# Altium PCB 10515.0501_主板(8拼版)_V1.0-20200907.PcbDoc (part 5 of 6)
Units mm, origin at the board's own origin, x right, y up, seen from the top; angles counter-clockwise.
Board outline 229.4 x 126.82 mm, 2 copper layers (Top Layer, Bottom Layer); 560 components, 0 nets, 2350 pads, 1248 vias.
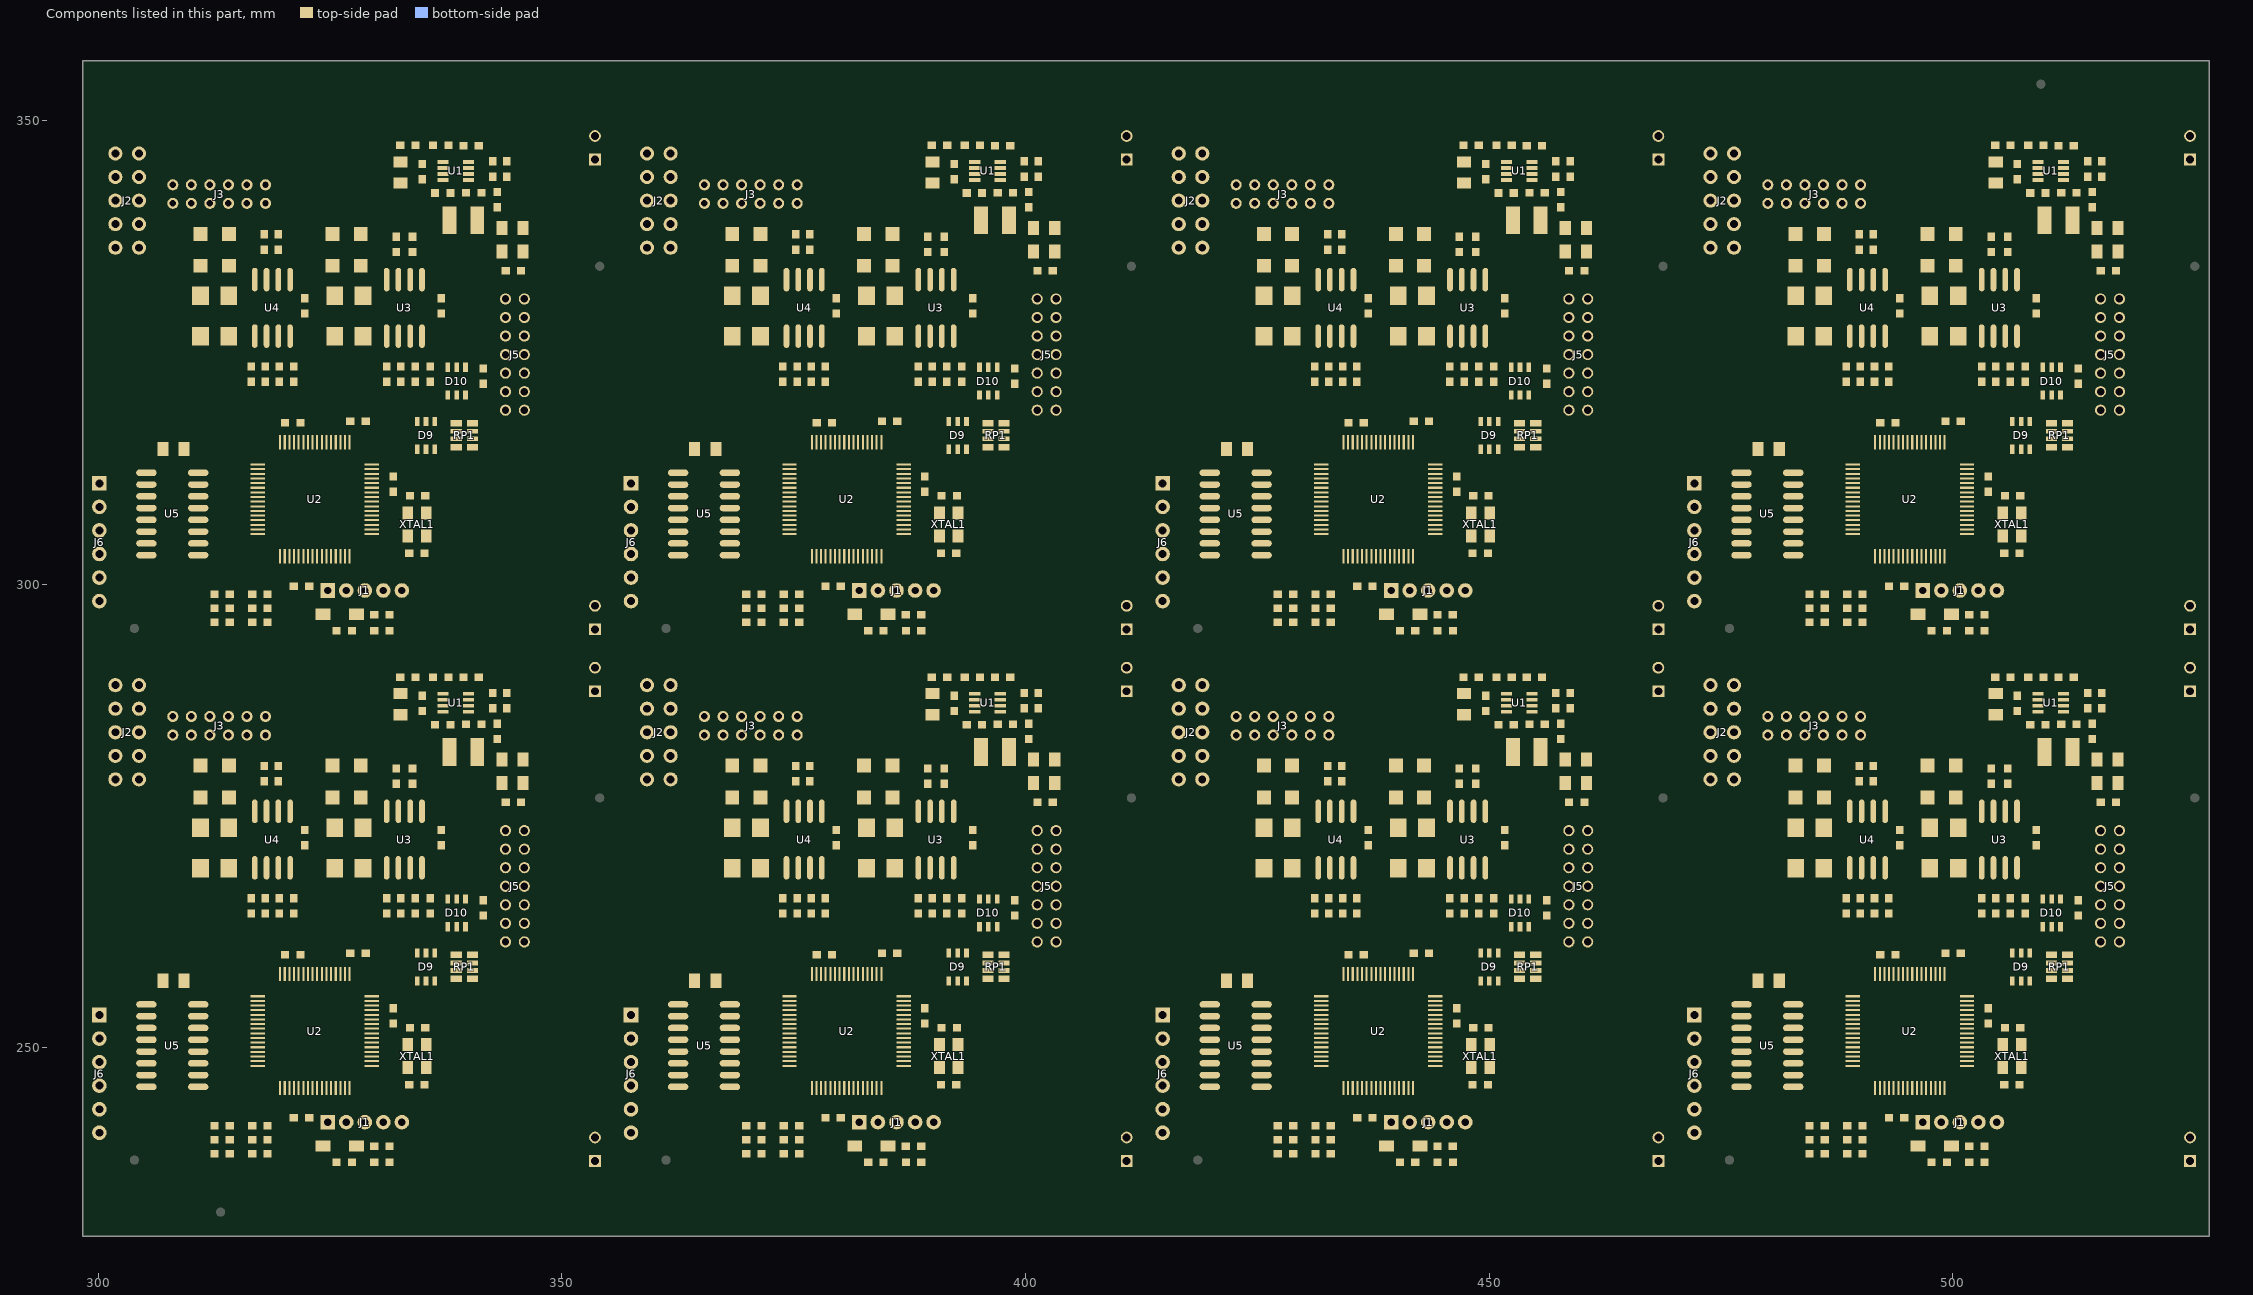
[diagram p5: the components of this part, seen from the top]

## Via types
v1: diameter 0.7, hole 0.4, Top Layer to Bottom Layer, tented both sides, 1248 vias

## Nets (pads, with @x,y where several pads share a name; then routed paths per layer and width w, separated by ;. In a path a pad name is that pad's centre, name@x,y a point inside that pad or via, vN(x,y) a via of type N, cw(c..) or ccw(c..) an arc to the next point about the centre after c; other vN are vias at no path point) (continued)
copper on no net: (continued)
  Top Layer w1: 301.833,284.039 304.373,284.039 304.668,283.744 306.705,283.744 ; 301.833,289.119 304.373,289.119 306.005,290.751 ; 301.833,341.389 304.373,341.389 304.668,341.094 306.705,341.094 ; 301.833,346.469 304.373,346.469 306.005,348.101 ; 302.387,289.119 304.019,290.751 305.035,290.751 ; 302.387,346.469 304.019,348.101 305.035,348.101 ; 303.403,289.119 305.035,290.751 ; 303.403,346.469 305.035,348.101 ; v1(306.705,259.001) 306.705,257.497 306.969,257.233 ; v1(306.705,316.351) 306.705,314.847 306.969,314.583 ; 309.255,257.233 309.255,265.849 308.026,267.078 308.026,283.744 ; 309.255,314.583 309.255,323.199 308.026,324.428 308.026,341.094 ; 312.026,283.744 310.026,283.744 308.026,283.744 ; 312.026,341.094 310.026,341.094 308.026,341.094 ; 332.549,288.275 332.603,288.221 331.333,288.221 v1(328.803,290.751) v1(328.041,290.751) v1(318.135,290.751) 306.005,290.751 ; 332.549,345.625 332.603,345.571 331.333,345.571 v1(328.803,348.101) v1(328.041,348.101) v1(318.135,348.101) 306.005,348.101 ; 332.603,285.935 331.333,285.935 328.132,289.136 308.646,289.136 306.705,287.195 306.705,283.744 ; 332.603,343.285 331.333,343.285 328.132,346.486 308.646,346.486 306.705,344.545 306.705,341.094 ; 359.183,284.039 361.723,284.039 362.018,283.744 364.055,283.744 ; 359.183,289.119 361.723,289.119 363.355,290.751 ; 359.183,341.389 361.723,341.389 362.018,341.094 364.055,341.094 ; 359.183,346.469 361.723,346.469 363.355,348.101 ; 359.737,289.119 361.369,290.751 362.385,290.751 ; 359.737,346.469 361.369,348.101 362.385,348.101 ; 360.753,289.119 362.385,290.751 ; 360.753,346.469 362.385,348.101 ; v1(364.055,259.001) 364.055,257.497 364.319,257.233 ; v1(364.055,316.351) 364.055,314.847 364.319,314.583 ; 366.605,257.233 366.605,265.849 365.376,267.078 365.376,283.744 ; 366.605,314.583 366.605,323.199 365.376,324.428 365.376,341.094 ; 369.376,283.744 367.376,283.744 365.376,283.744 ; 369.376,341.094 367.376,341.094 365.376,341.094 ; 389.899,288.275 389.953,288.221 388.683,288.221 v1(386.153,290.751) v1(385.391,290.751) v1(375.485,290.751) 363.355,290.751 ; 389.899,345.625 389.953,345.571 388.683,345.571 v1(386.153,348.101) v1(385.391,348.101) v1(375.485,348.101) 363.355,348.101 ; 389.953,285.935 388.683,285.935 385.482,289.136 365.996,289.136 364.055,287.195 364.055,283.744 ; 389.953,343.285 388.683,343.285 385.482,346.486 365.996,346.486 364.055,344.545 364.055,341.094 ; 416.533,284.039 419.073,284.039 419.368,283.744 421.405,283.744 ; 416.533,289.119 419.073,289.119 420.705,290.751 ; 416.533,341.389 419.073,341.389 419.368,341.094 421.405,341.094 ; 416.533,346.469 419.073,346.469 420.705,348.101 ; 417.087,289.119 418.719,290.751 419.735,290.751 ; 417.087,346.469 418.719,348.101 419.735,348.101 ; 418.103,289.119 419.735,290.751 ; 418.103,346.469 419.735,348.101 ; v1(421.405,259.001) 421.405,257.497 421.669,257.233 ; v1(421.405,316.351) 421.405,314.847 421.669,314.583 ; 423.955,257.233 423.955,265.849 422.726,267.078 422.726,283.744 ; 423.955,314.583 423.955,323.199 422.726,324.428 422.726,341.094 ; 426.726,283.744 424.726,283.744 422.726,283.744 ; 426.726,341.094 424.726,341.094 422.726,341.094 ; 447.249,288.275 447.303,288.221 446.033,288.221 v1(443.503,290.751) v1(442.741,290.751) v1(432.835,290.751) 420.705,290.751 ; 447.249,345.625 447.303,345.571 446.033,345.571 v1(443.503,348.101) v1(442.741,348.101) v1(432.835,348.101) 420.705,348.101 ; 447.303,285.935 446.033,285.935 442.832,289.136 423.346,289.136 421.405,287.195 421.405,283.744 ; 447.303,343.285 446.033,343.285 442.832,346.486 423.346,346.486 421.405,344.545 421.405,341.094 ; 473.883,284.039 476.423,284.039 476.718,283.744 478.755,283.744 ; 473.883,289.119 476.423,289.119 478.055,290.751 ; 473.883,341.389 476.423,341.389 476.718,341.094 478.755,341.094 ; 473.883,346.469 476.423,346.469 478.055,348.101 ; 474.437,289.119 476.069,290.751 477.085,290.751 ; 474.437,346.469 476.069,348.101 477.085,348.101 ; 475.453,289.119 477.085,290.751 ; 475.453,346.469 477.085,348.101 ; v1(478.755,259.001) 478.755,257.497 479.019,257.233 ; v1(478.755,316.351) 478.755,314.847 479.019,314.583 ; 481.305,257.233 481.305,265.849 480.076,267.078 480.076,283.744 ; 481.305,314.583 481.305,323.199 480.076,324.428 480.076,341.094 ; 484.076,283.744 482.076,283.744 480.076,283.744 ; 484.076,341.094 482.076,341.094 480.076,341.094 ; 504.6,288.275 504.653,288.221 503.383,288.221 v1(500.853,290.751) v1(500.091,290.751) v1(490.185,290.751) 478.055,290.751 ; 504.6,345.625 504.653,345.571 503.383,345.571 v1(500.853,348.101) v1(500.091,348.101) v1(490.185,348.101) 478.055,348.101 ; 504.653,285.935 503.383,285.935 500.182,289.136 480.696,289.136 478.755,287.195 478.755,283.744 ; 504.653,343.285 503.383,343.285 500.182,346.486 480.696,346.486 478.755,344.545 478.755,341.094 ; 305.035,290.751 306.005,290.751 ; 305.035,348.101 306.005,348.101 ; 306.705,283.744 308.026,283.744 ; 306.705,341.094 308.026,341.094 ; 362.385,290.751 363.355,290.751 ; 362.385,348.101 363.355,348.101 ; 364.055,283.744 365.376,283.744 ; 364.055,341.094 365.376,341.094 ; 419.735,290.751 420.705,290.751 ; 419.735,348.101 420.705,348.101 ; 421.405,283.744 422.726,283.744 ; 421.405,341.094 422.726,341.094 ; 477.085,290.751 478.055,290.751 ; 477.085,348.101 478.055,348.101 ; 478.755,283.744 480.076,283.744 ; 478.755,341.094 480.076,341.094
  Bottom Layer w0.2: v1(315.341,240.078) v1(315.341,242.999) ; v1(315.341,297.428) v1(315.341,300.349) ; v1@315.57,238.554 316.103,239.087 316.103,242.491 ; v1@315.57,295.904 316.103,296.437 316.103,299.841 ; v1(372.691,240.078) v1(372.691,242.999) ; v1(372.691,297.428) v1(372.691,300.349) ; v1@372.92,238.554 373.453,239.087 373.453,242.491 ; v1@372.92,295.904 373.453,296.437 373.453,299.841 ; v1(430.041,240.078) v1(430.041,242.999) ; v1(430.041,297.428) v1(430.041,300.349) ; v1@430.27,238.554 430.803,239.087 430.803,242.491 ; v1@430.27,295.904 430.803,296.437 430.803,299.841 ; v1(487.391,240.078) v1(487.391,242.999) ; v1(487.391,297.428) v1(487.391,300.349) ; v1@487.62,238.554 488.153,239.087 488.153,242.491 ; v1@487.62,295.904 488.153,296.437 488.153,299.841
  Bottom Layer w0.4: v1(312.547,242.745) 312.547,243.507 312.944,243.904 v1(323.104,243.904) 328.739,243.904 ; v1(312.547,269.39) v1(324.129,269.39) ; v1(312.547,300.095) 312.547,300.857 312.944,301.254 v1(323.104,301.254) 328.739,301.254 ; v1(312.547,326.74) v1(324.129,326.74) ; 316.484,269.263 v1(316.484,263.209) 316.484,262.176 316.865,261.795 319.659,261.795 320.142,261.312 v1(320.142,261.262) ; 316.484,326.613 v1(316.484,320.559) 316.484,319.526 316.865,319.145 319.659,319.145 320.142,318.662 v1(320.142,318.612) ; v1(318.008,267.256) v1(321.564,267.256) ; v1(318.008,324.606) v1(321.564,324.606) ; v1(323.063,271.853) v1(338.201,271.853) ; v1(323.063,329.203) v1(338.201,329.203) ; v1(323.19,273.504) 323.977,273.504 340.716,273.504 v1@342.494,273.504 ; v1(323.19,330.854) 323.977,330.854 340.716,330.854 v1@342.494,330.854 ; 324.739,241.983 324.739,240.459 325.161,240.037 ; 324.739,299.333 324.739,297.809 325.161,297.387 ; v1(325.247,275.745) 333.36,275.745 333.633,276.019 v1(333.633,277.543) ; v1(325.247,333.095) 333.36,333.095 333.633,333.369 v1(333.633,334.893) ; 328.739,241.983 328.739,243.904 ; 328.739,299.333 328.739,301.254 ; v1@330.872,263.356 v1(330.872,267.092) ; v1@330.872,320.706 v1(330.872,324.442) ; v1(331.093,277.285) 331.093,280.595 331.597,281.099 v1(333.883,281.099) ; v1(331.093,334.635) 331.093,337.945 331.597,338.449 v1(333.883,338.449) ; v1(332.16,267.074) 332.16,265.423 332.538,265.045 v1(336.856,265.045) ; v1(332.16,324.424) 332.16,322.773 332.538,322.395 v1(336.856,322.395) ; v1(334.2,289.291) 334.2,287.894 334.533,287.561 340.315,287.561 v1(340.965,286.911) ; v1(334.2,346.641) 334.2,345.244 334.533,344.911 340.315,344.911 v1(340.965,344.261) ; v1(334.899,285.694) 335.466,286.261 v1(338.373,286.261) ; v1(334.899,343.044) 335.466,343.611 v1(338.373,343.611) ; v1(335.341,256.141) 337.881,256.141 338.201,256.461 ; v1(335.341,262.811) 340.487,262.811 340.995,262.811 ; v1(335.341,313.491) 337.881,313.491 338.201,313.811 ; v1(335.341,320.161) 340.487,320.161 340.995,320.161 ; v1(338.201,261.795) 338.201,256.461 ; v1(338.201,319.145) 338.201,313.811 ; 338.455,253.413 341.503,253.413 342.265,254.175 342.265,268.145 ; 338.455,310.763 341.503,310.763 342.265,311.525 342.265,325.495 ; 340.487,253.159 339.725,252.397 338.963,253.159 ; 340.487,310.509 339.725,309.747 338.963,310.509 ; v1(340.995,256.207) v1(340.995,267.432) ; v1(340.995,313.557) v1(340.995,324.782) ; v1(342.519,268.907) v1(342.519,270.177) 342.265,269.923 342.265,268.145 ; v1(342.519,326.257) v1(342.519,327.527) 342.265,327.273 342.265,325.495 ; 345.948,269.432 v1(342.519,269.432) ; 345.948,326.782 v1(342.519,326.782) ; v1(369.897,242.745) 369.897,243.507 370.294,243.904 v1(380.454,243.904) 386.089,243.904 ; v1(369.897,269.39) v1(381.479,269.39) ; v1(369.897,300.095) 369.897,300.857 370.294,301.254 v1(380.454,301.254) 386.089,301.254 ; v1(369.897,326.74) v1(381.479,326.74) ; 373.834,269.263 v1(373.834,263.209) 373.834,262.176 374.215,261.795 377.009,261.795 377.492,261.312 v1(377.492,261.262) ; 373.834,326.613 v1(373.834,320.559) 373.834,319.526 374.215,319.145 377.009,319.145 377.492,318.662 v1(377.492,318.612) ; v1(375.358,267.256) v1(378.914,267.256) ; v1(375.358,324.606) v1(378.914,324.606) ; v1(380.413,271.853) v1(395.551,271.853) ; v1(380.413,329.203) v1(395.551,329.203) ; v1(380.54,273.504) 381.327,273.504 398.066,273.504 v1@399.844,273.504 ; v1(380.54,330.854) 381.327,330.854 398.066,330.854 v1@399.844,330.854 ; 382.089,241.983 382.089,240.459 382.511,240.037 ; 382.089,299.333 382.089,297.809 382.511,297.387 ; v1(382.597,275.745) 390.71,275.745 390.983,276.019 v1(390.983,277.543) ; v1(382.597,333.095) 390.71,333.095 390.983,333.369 v1(390.983,334.893) ; 386.089,241.983 386.089,243.904 ; 386.089,299.333 386.089,301.254 ; v1@388.222,263.356 v1(388.222,267.092) ; v1@388.222,320.706 v1(388.222,324.442) ; v1(388.443,277.285) 388.443,280.595 388.947,281.099 v1(391.233,281.099) ; v1(388.443,334.635) 388.443,337.945 388.947,338.449 v1(391.233,338.449) ; v1(389.51,267.074) 389.51,265.423 389.888,265.045 v1(394.206,265.045) ; v1(389.51,324.424) 389.51,322.773 389.888,322.395 v1(394.206,322.395) ; v1(391.55,289.291) 391.55,287.894 391.883,287.561 397.665,287.561 v1(398.315,286.911) ; v1(391.55,346.641) 391.55,345.244 391.883,344.911 397.665,344.911 v1(398.315,344.261) ; v1(392.249,285.694) 392.816,286.261 v1(395.723,286.261) ; v1(392.249,343.044) 392.816,343.611 v1(395.723,343.611) ; v1(392.691,256.141) 395.231,256.141 395.551,256.461 ; v1(392.691,262.811) 397.837,262.811 398.345,262.811 ; v1(392.691,313.491) 395.231,313.491 395.551,313.811 ; v1(392.691,320.161) 397.837,320.161 398.345,320.161 ; v1(395.551,261.795) 395.551,256.461 ; v1(395.551,319.145) 395.551,313.811 ; 395.805,253.413 398.853,253.413 399.615,254.175 399.615,268.145 ; 395.805,310.763 398.853,310.763 399.615,311.525 399.615,325.495 ; 397.837,253.159 397.075,252.397 396.313,253.159 ; 397.837,310.509 397.075,309.747 396.313,310.509 ; v1(398.345,256.207) v1(398.345,267.432) ; v1(398.345,313.557) v1(398.345,324.782) ; v1(399.869,268.907) v1(399.869,270.177) 399.615,269.923 399.615,268.145 ; v1(399.869,326.257) v1(399.869,327.527) 399.615,327.273 399.615,325.495 ; 403.298,269.432 v1(399.869,269.432) ; 403.298,326.782 v1(399.869,326.782) ; v1(427.247,242.745) 427.247,243.507 427.644,243.904 v1(437.804,243.904) 443.439,243.904 ; v1(427.247,269.39) v1(438.829,269.39) ; v1(427.247,300.095) 427.247,300.857 427.644,301.254 v1(437.804,301.254) 443.439,301.254 ; v1(427.247,326.74) v1(438.829,326.74) ; 431.184,269.263 v1(431.184,263.209) 431.184,262.176 431.565,261.795 434.359,261.795 434.842,261.312 v1(434.842,261.262) ; 431.184,326.613 v1(431.184,320.559) 431.184,319.526 431.565,319.145 434.359,319.145 434.842,318.662 v1(434.842,318.612) ; v1(432.708,267.256) v1(436.264,267.256) ; v1(432.708,324.606) v1(436.264,324.606) ; v1(437.763,271.853) v1(452.901,271.853) ; v1(437.763,329.203) v1(452.901,329.203) ; v1(437.89,273.504) 438.677,273.504 455.416,273.504 v1@457.194,273.504 ; v1(437.89,330.854) 438.677,330.854 455.416,330.854 v1@457.194,330.854 ; 439.439,241.983 439.439,240.459 439.861,240.037 ; 439.439,299.333 439.439,297.809 439.861,297.387 ; v1(439.947,275.745) 448.06,275.745 448.333,276.019 v1(448.333,277.543) ; v1(439.947,333.095) 448.06,333.095 448.333,333.369 v1(448.333,334.893) ; 443.439,241.983 443.439,243.904 ; 443.439,299.333 443.439,301.254 ; v1@445.572,263.356 v1(445.572,267.092) ; v1@445.572,320.706 v1(445.572,324.442) ; v1(445.793,277.285) 445.793,280.595 446.297,281.099 v1(448.583,281.099) ; v1(445.793,334.635) 445.793,337.945 446.297,338.449 v1(448.583,338.449) ; v1(446.86,267.074) 446.86,265.423 447.238,265.045 v1(451.556,265.045) ; v1(446.86,324.424) 446.86,322.773 447.238,322.395 v1(451.556,322.395) ; v1(448.9,289.291) 448.9,287.894 449.233,287.561 455.015,287.561 v1(455.665,286.911) ; v1(448.9,346.641) 448.9,345.244 449.233,344.911 455.015,344.911 v1(455.665,344.261) ; v1(449.599,285.694) 450.166,286.261 v1(453.073,286.261) ; v1(449.599,343.044) 450.166,343.611 v1(453.073,343.611) ; v1(450.041,256.141) 452.581,256.141 452.901,256.461 ; v1(450.041,262.811) 455.187,262.811 455.695,262.811 ; v1(450.041,313.491) 452.581,313.491 452.901,313.811 ; v1(450.041,320.161) 455.187,320.161 455.695,320.161 ; v1(452.901,261.795) 452.901,256.461 ; v1(452.901,319.145) 452.901,313.811 ; 453.155,253.413 456.203,253.413 456.965,254.175 456.965,268.145 ; 453.155,310.763 456.203,310.763 456.965,311.525 456.965,325.495 ; 455.187,253.159 454.425,252.397 453.663,253.159 ; 455.187,310.509 454.425,309.747 453.663,310.509 ; v1(455.695,256.207) v1(455.695,267.432) ; v1(455.695,313.557) v1(455.695,324.782) ; v1(457.219,268.907) v1(457.219,270.177) 456.965,269.923 456.965,268.145 ; v1(457.219,326.257) v1(457.219,327.527) 456.965,327.273 456.965,325.495 ; 460.648,269.432 v1(457.219,269.432) ; 460.648,326.782 v1(457.219,326.782) ; v1(484.597,242.745) 484.597,243.507 484.994,243.904 v1(495.154,243.904) 500.789,243.904 ; v1(484.597,269.39) v1(496.179,269.39) ; v1(484.597,300.095) 484.597,300.857 484.994,301.254 v1(495.154,301.254) 500.789,301.254 ; v1(484.597,326.74) v1(496.179,326.74) ; 488.534,269.263 v1(488.534,263.209) 488.534,262.176 488.915,261.795 491.709,261.795 492.192,261.312 v1(492.192,261.262) ; 488.534,326.613 v1(488.534,320.559) 488.534,319.526 488.915,319.145 491.709,319.145 492.192,318.662 v1(492.192,318.612) ; v1(490.058,267.256) v1(493.614,267.256) ; v1(490.058,324.606) v1(493.614,324.606) ; v1(495.113,271.853) v1(510.251,271.853) ; v1(495.113,329.203) v1(510.251,329.203) ; v1(495.24,273.504) 496.027,273.504 512.766,273.504 v1@514.544,273.504 ; v1(495.24,330.854) 496.027,330.854 512.766,330.854 v1@514.544,330.854 ; 496.789,241.983 496.789,240.459 497.211,240.037 ; 496.789,299.333 496.789,297.809 497.211,297.387 ; v1(497.297,275.745) 505.41,275.745 505.683,276.019 v1(505.683,277.543) ; v1(497.297,333.095) 505.41,333.095 505.683,333.369 v1(505.683,334.893) ; 500.789,241.983 500.789,243.904 ; 500.789,299.333 500.789,301.254 ; v1@502.922,263.356 v1(502.922,267.092) ; v1@502.922,320.706 v1(502.922,324.442) ; v1(503.143,277.285) 503.143,280.595 503.647,281.099 v1(505.933,281.099) ; v1(503.143,334.635) 503.143,337.945 503.647,338.449 v1(505.933,338.449) ; v1(504.21,267.074) 504.21,265.423 504.588,265.045 v1(508.906,265.045) ; v1(504.21,324.424) 504.21,322.773 504.588,322.395 v1(508.906,322.395) ; v1(506.251,289.291) 506.251,287.894 506.583,287.561 512.365,287.561 v1(513.015,286.911) ; v1(506.251,346.641) 506.251,345.244 506.583,344.911 512.365,344.911 v1(513.015,344.261) ; v1(506.949,285.694) 507.516,286.261 v1(510.423,286.261) ; v1(506.949,343.044) 507.516,343.611 v1(510.423,343.611) ; v1(507.391,256.141) 509.931,256.141 510.251,256.461 ; v1(507.391,262.811) 512.537,262.811 513.045,262.811 ; v1(507.391,313.491) 509.931,313.491 510.251,313.811 ; v1(507.391,320.161) 512.537,320.161 513.045,320.161 ; v1(510.251,261.795) 510.251,256.461 ; v1(510.251,319.145) 510.251,313.811 ; 510.505,253.413 513.553,253.413 514.315,254.175 514.315,268.145 ; 510.505,310.763 513.553,310.763 514.315,311.525 514.315,325.495 ; 512.537,253.159 511.775,252.397 511.013,253.159 ; 512.537,310.509 511.775,309.747 511.013,310.509 ; v1(513.045,256.207) v1(513.045,267.432) ; v1(513.045,313.557) v1(513.045,324.782) ; v1(514.569,268.907) v1(514.569,270.177) 514.315,269.923 514.315,268.145 ; v1(514.569,326.257) v1(514.569,327.527) 514.315,327.273 514.315,325.495 ; 517.998,269.432 v1(514.569,269.432) ; 517.998,326.782 v1(514.569,326.782) ; 328.739,243.904 339.217,243.904 339.725,244.412 v1(339.725,253.159) ; 328.739,301.254 339.217,301.254 339.725,301.762 v1(339.725,310.509) ; 338.201,256.461 338.201,253.667 338.709,253.159 338.963,253.159 ; 338.201,313.811 338.201,311.017 338.709,310.509 338.963,310.509 ; 338.963,253.159 v1(339.725,253.159) ; 338.963,310.509 v1(339.725,310.509) ; v1(339.725,253.159) 341.757,253.159 342.519,253.921 342.519,268.399 v1(342.519,269.432) ; v1(339.725,310.509) 341.757,310.509 342.519,311.271 342.519,325.749 v1(342.519,326.782) ; 342.265,268.145 342.265,269.178 v1(342.519,269.432) ; 342.265,325.495 342.265,326.528 v1(342.519,326.782) ; 386.089,243.904 396.567,243.904 397.075,244.412 v1(397.075,253.159) ; 386.089,301.254 396.567,301.254 397.075,301.762 v1(397.075,310.509) ; 395.551,256.461 395.551,253.667 396.059,253.159 396.313,253.159 ; 395.551,313.811 395.551,311.017 396.059,310.509 396.313,310.509 ; 396.313,253.159 v1(397.075,253.159) ; 396.313,310.509 v1(397.075,310.509) ; v1(397.075,253.159) 399.107,253.159 399.869,253.921 399.869,268.399 v1(399.869,269.432) ; v1(397.075,310.509) 399.107,310.509 399.869,311.271 399.869,325.749 v1(399.869,326.782) ; 399.615,268.145 399.615,269.178 v1(399.869,269.432) ; 399.615,325.495 399.615,326.528 v1(399.869,326.782) ; 443.439,243.904 453.917,243.904 454.425,244.412 v1(454.425,253.159) ; 443.439,301.254 453.917,301.254 454.425,301.762 v1(454.425,310.509) ; 452.901,256.461 452.901,253.667 453.409,253.159 453.663,253.159 ; 452.901,313.811 452.901,311.017 453.409,310.509 453.663,310.509 ; 453.663,253.159 v1(454.425,253.159) ; 453.663,310.509 v1(454.425,310.509) ; v1(454.425,253.159) 456.457,253.159 457.219,253.921 457.219,268.399 v1(457.219,269.432) ; v1(454.425,310.509) 456.457,310.509 457.219,311.271 457.219,325.749 v1(457.219,326.782) ; 456.965,268.145 456.965,269.178 v1(457.219,269.432) ; 456.965,325.495 456.965,326.528 v1(457.219,326.782) ; 500.789,243.904 511.267,243.904 511.775,244.412 v1(511.775,253.159) ; 500.789,301.254 511.267,301.254 511.775,301.762 v1(511.775,310.509) ; 510.251,256.461 510.251,253.667 510.759,253.159 511.013,253.159 ; 510.251,313.811 510.251,311.017 510.759,310.509 511.013,310.509 ; 511.013,253.159 v1(511.775,253.159) ; 511.013,310.509 v1(511.775,310.509) ; v1(511.775,253.159) 513.807,253.159 514.569,253.921 514.569,268.399 v1(514.569,269.432) ; v1(511.775,310.509) 513.807,310.509 514.569,311.271 514.569,325.749 v1(514.569,326.782) ; 514.315,268.145 514.315,269.178 v1(514.569,269.432) ; 514.315,325.495 514.315,326.528 v1(514.569,326.782)
  Bottom Layer w0.45: v1(311.023,275.745) 311.023,278.305 311.467,278.75 v1(316.674,278.75) ; v1(311.023,333.095) 311.023,335.655 311.467,336.1 v1(316.674,336.1) ; v1(312.547,269.39) 312.547,272.971 313.334,273.758 320.167,273.758 v1(320.91,273.758) ; v1(312.547,326.74) 312.547,330.321 313.334,331.108 320.167,331.108 v1(320.91,331.108) ; v1(314.071,275.745) 314.071,277.035 314.833,277.797 316.611,277.797 v1(319.409,277.797) ; v1(314.071,333.095) 314.071,334.385 314.833,335.147 316.611,335.147 v1(319.409,335.147) ; v1(317.881,281.353) 320.167,281.353 320.675,280.845 v1(320.675,277.543) ; v1(317.881,338.703) 320.167,338.703 320.675,338.195 v1(320.675,334.893) ; v1(368.373,275.745) 368.373,278.305 368.817,278.75 v1(374.024,278.75) ; v1(368.373,333.095) 368.373,335.655 368.817,336.1 v1(374.024,336.1) ; v1(369.897,269.39) 369.897,272.971 370.684,273.758 377.517,273.758 v1(378.26,273.758) ; v1(369.897,326.74) 369.897,330.321 370.684,331.108 377.517,331.108 v1(378.26,331.108) ; v1(371.421,275.745) 371.421,277.035 372.183,277.797 373.961,277.797 v1(376.759,277.797) ; v1(371.421,333.095) 371.421,334.385 372.183,335.147 373.961,335.147 v1(376.759,335.147) ; v1(375.231,281.353) 377.517,281.353 378.025,280.845 v1(378.025,277.543) ; v1(375.231,338.703) 377.517,338.703 378.025,338.195 v1(378.025,334.893) ; v1(425.723,275.745) 425.723,278.305 426.167,278.75 v1(431.374,278.75) ; v1(425.723,333.095) 425.723,335.655 426.167,336.1 v1(431.374,336.1) ; v1(427.247,269.39) 427.247,272.971 428.034,273.758 434.867,273.758 v1(435.61,273.758) ; v1(427.247,326.74) 427.247,330.321 428.034,331.108 434.867,331.108 v1(435.61,331.108) ; v1(428.771,275.745) 428.771,277.035 429.533,277.797 431.311,277.797 v1(434.109,277.797) ; v1(428.771,333.095) 428.771,334.385 429.533,335.147 431.311,335.147 v1(434.109,335.147) ; v1(432.581,281.353) 434.867,281.353 435.375,280.845 v1(435.375,277.543) ; v1(432.581,338.703) 434.867,338.703 435.375,338.195 v1(435.375,334.893) ; v1(483.073,275.745) 483.073,278.305 483.518,278.75 v1(488.725,278.75) ; v1(483.073,333.095) 483.073,335.655 483.518,336.1 v1(488.725,336.1) ; v1(484.597,269.39) 484.597,272.971 485.384,273.758 492.217,273.758 v1(492.96,273.758) ; v1(484.597,326.74) 484.597,330.321 485.384,331.108 492.217,331.108 v1(492.96,331.108) ; v1(486.121,275.745) 486.121,277.035 486.883,277.797 488.661,277.797 v1(491.459,277.797) ; v1(486.121,333.095) 486.121,334.385 486.883,335.147 488.661,335.147 v1(491.459,335.147) ; v1(489.931,281.353) 492.217,281.353 492.725,280.845 v1(492.725,277.543) ; v1(489.931,338.703) 492.217,338.703 492.725,338.195 v1(492.725,334.893)
  Bottom Layer w0.65: 305.181,289.119 306.705,287.595 ; 305.181,346.469 306.705,344.945 ; 316.484,269.263 316.484,262.176 316.865,261.795 319.608,261.795 v1(320.142,261.262) ; 316.484,326.613 316.484,319.526 316.865,319.145 319.608,319.145 v1(320.142,318.612) ; v1(318.008,263.446) 322.936,263.446 ; v1(318.008,320.796) 322.936,320.796 ; v1(320.91,273.758) 313.334,273.758 312.547,272.971 v1(312.547,269.39) v1(324.129,269.39) ; v1(320.91,331.108) 313.334,331.108 312.547,330.321 v1(312.547,326.74) v1(324.129,326.74) ; v1(321.793,261.185) 322.605,261.185 323.063,261.643 v1(323.063,265.097) ; v1(321.793,318.535) 322.605,318.535 323.063,318.993 v1(323.063,322.447) ; v1(323.104,243.904) 323.229,244.029 339.299,244.029 339.725,244.455 v1(339.725,253.159) ; v1(323.104,301.254) 323.229,301.379 339.299,301.379 339.725,301.805 v1(339.725,310.509) ; v1(323.19,273.504) 342.494,273.504 v1(342.519,273.479) ; v1(323.19,330.854) 342.494,330.854 v1(342.519,330.829) ; 325.161,240.037 332.105,240.037 332.613,240.545 332.613,242.237 333.375,242.999 339.979,242.999 340.995,244.015 v1(340.995,251.889) ; 325.161,297.387 332.105,297.387 332.613,297.895 332.613,299.587 333.375,300.349 339.979,300.349 340.995,301.365 v1(340.995,309.239) ; v1(328.041,290.751) 329.311,292.021 330.073,292.021 v1(328.803,290.751) ; v1(328.041,348.101) 329.311,349.371 330.073,349.371 v1(328.803,348.101) ; v1(335.341,262.811) 340.995,262.811 ; v1(335.341,320.161) 340.995,320.161 ; 340.233,262.811 340.995,262.049 ; 340.233,320.161 340.995,319.399 ; 340.487,262.811 340.995,263.319 ; 340.487,320.161 340.995,320.669 ; v1@340.73,267.432 v1(340.633,267.529) v1(340.995,267.891) v1(340.995,267.432) ; v1@340.73,324.782 v1(340.633,324.879) v1(340.995,325.241) v1(340.995,324.782) ; 346.79,273.432 348.107,274.749 ; 346.79,330.782 348.107,332.099 ; 346.837,292.021 348.107,290.751 348.107,274.749 ; 346.837,349.371 348.107,348.101 348.107,332.099 ; 347.345,273.432 347.345,273.479 348.869,275.003 ; 347.345,330.782 347.345,330.829 348.869,332.353 ; 348.869,275.511 348.107,274.749 ; 348.869,332.861 348.107,332.099 ; 362.531,289.119 364.055,287.595 ; 362.531,346.469 364.055,344.945 ; 373.834,269.263 373.834,262.176 374.215,261.795 376.958,261.795 v1(377.492,261.262) ; 373.834,326.613 373.834,319.526 374.215,319.145 376.958,319.145 v1(377.492,318.612) ; v1(375.358,263.446) 380.286,263.446 ; v1(375.358,320.796) 380.286,320.796 ; v1(378.26,273.758) 370.684,273.758 369.897,272.971 v1(369.897,269.39) v1(381.479,269.39) ; v1(378.26,331.108) 370.684,331.108 369.897,330.321 v1(369.897,326.74) v1(381.479,326.74) ; v1(379.143,261.185) 379.955,261.185 380.413,261.643 v1(380.413,265.097) ; v1(379.143,318.535) 379.955,318.535 380.413,318.993 v1(380.413,322.447) ; v1(380.454,243.904) 380.579,244.029 396.649,244.029 397.075,244.455 v1(397.075,253.159) ; v1(380.454,301.254) 380.579,301.379 396.649,301.379 397.075,301.805 v1(397.075,310.509) ; v1(380.54,273.504) 399.844,273.504 v1(399.869,273.479) ; v1(380.54,330.854) 399.844,330.854 v1(399.869,330.829) ; 382.511,240.037 389.455,240.037 389.963,240.545 389.963,242.237 390.725,242.999 397.329,242.999 398.345,244.015 v1(398.345,251.889) ; 382.511,297.387 389.455,297.387 389.963,297.895 389.963,299.587 390.725,300.349 397.329,300.349 398.345,301.365 v1(398.345,309.239) ; v1(385.391,290.751) 386.661,292.021 387.423,292.021 v1(386.153,290.751) ; v1(385.391,348.101) 386.661,349.371 387.423,349.371 v1(386.153,348.101) ; v1(392.691,262.811) 398.345,262.811 ; v1(392.691,320.161) 398.345,320.161 ; 397.583,262.811 398.345,262.049 ; 397.583,320.161 398.345,319.399 ; 397.837,262.811 398.345,263.319 ; 397.837,320.161 398.345,320.669 ; v1@398.08,267.432 v1(397.983,267.529) v1(398.345,267.891) v1(398.345,267.432) ; v1@398.08,324.782 v1(397.983,324.879) v1(398.345,325.241) v1(398.345,324.782) ; 404.14,273.432 405.457,274.749 ; 404.14,330.782 405.457,332.099 ; 404.187,292.021 405.457,290.751 405.457,274.749 ; 404.187,349.371 405.457,348.101 405.457,332.099 ; 404.695,273.432 404.695,273.479 406.219,275.003 ; 404.695,330.782 404.695,330.829 406.219,332.353 ; 406.219,275.511 405.457,274.749 ; 406.219,332.861 405.457,332.099 ; 419.881,289.119 421.405,287.595 ; 419.881,346.469 421.405,344.945 ; 431.184,269.263 431.184,262.176 431.565,261.795 434.308,261.795 v1(434.842,261.262) ; 431.184,326.613 431.184,319.526 431.565,319.145 434.308,319.145 v1(434.842,318.612) ; v1(432.708,263.446) 437.636,263.446 ; v1(432.708,320.796) 437.636,320.796 ; v1(435.61,273.758) 428.034,273.758 427.247,272.971 v1(427.247,269.39) v1(438.829,269.39) ; v1(435.61,331.108) 428.034,331.108 427.247,330.321 v1(427.247,326.74) v1(438.829,326.74) ; v1(436.493,261.185) 437.305,261.185 437.763,261.643 v1(437.763,265.097) ; v1(436.493,318.535) 437.305,318.535 437.763,318.993 v1(437.763,322.447) ; v1(437.804,243.904) 437.929,244.029 453.999,244.029 454.425,244.455 v1(454.425,253.159) ; v1(437.804,301.254) 437.929,301.379 453.999,301.379 454.425,301.805 v1(454.425,310.509) ; v1(437.89,273.504) 457.194,273.504 v1(457.219,273.479) ; v1(437.89,330.854) 457.194,330.854 v1(457.219,330.829) ; 439.861,240.037 446.805,240.037 447.313,240.545 447.313,242.237 448.075,242.999 454.679,242.999 455.695,244.015 v1(455.695,251.889) ; 439.861,297.387 446.805,297.387 447.313,297.895 447.313,299.587 448.075,300.349 454.679,300.349 455.695,301.365 v1(455.695,309.239) ; v1(442.741,290.751) 444.011,292.021 444.773,292.021 v1(443.503,290.751) ; v1(442.741,348.101) 444.011,349.371 444.773,349.371 v1(443.503,348.101) ; v1(450.041,262.811) 455.695,262.811 ; v1(450.041,320.161) 455.695,320.161 ; 454.933,262.811 455.695,262.049 ; 454.933,320.161 455.695,319.399 ; 455.187,262.811 455.695,263.319 ; 455.187,320.161 455.695,320.669 ; v1@455.43,267.432 v1(455.333,267.529) v1(455.695,267.891) v1(455.695,267.432) ; v1@455.43,324.782 v1(455.333,324.879) v1(455.695,325.241) v1(455.695,324.782) ; 461.49,273.432 462.807,274.749 ; 461.49,330.782 462.807,332.099 ; 461.537,292.021 462.807,290.751 462.807,274.749 ; 461.537,349.371 462.807,348.101 462.807,332.099 ; 462.045,273.432 462.045,273.479 463.569,275.003 ; 462.045,330.782 462.045,330.829 463.569,332.353 ; 463.569,275.511 462.807,274.749 ; 463.569,332.861 462.807,332.099 ; 477.231,289.119 478.755,287.595 ; 477.231,346.469 478.755,344.945 ; 488.534,269.263 488.534,262.176 488.915,261.795 491.658,261.795 v1(492.192,261.262) ; 488.534,326.613 488.534,319.526 488.915,319.145 491.658,319.145 v1(492.192,318.612) ; v1(490.058,263.446) 494.986,263.446 ; v1(490.058,320.796) 494.986,320.796 ; v1(492.96,273.758) 485.384,273.758 484.597,272.971 v1(484.597,269.39) v1(496.179,269.39) ; v1(492.96,331.108) 485.384,331.108 484.597,330.321 v1(484.597,326.74) v1(496.179,326.74) ; v1(493.843,261.185) 494.655,261.185 495.113,261.643 v1(495.113,265.097) ; v1(493.843,318.535) 494.655,318.535 495.113,318.993 v1(495.113,322.447) ; v1(495.154,243.904) 495.279,244.029 511.349,244.029 511.775,244.455 v1(511.775,253.159) ; v1(495.154,301.254) 495.279,301.379 511.349,301.379 511.775,301.805 v1(511.775,310.509) ; v1(495.24,273.504) 514.544,273.504 v1(514.569,273.479) ; v1(495.24,330.854) 514.544,330.854 v1(514.569,330.829) ; 497.211,240.037 504.155,240.037 504.663,240.545 504.663,242.237 505.425,242.999 512.029,242.999 513.045,244.015 v1(513.045,251.889) ; 497.211,297.387 504.155,297.387 504.663,297.895 504.663,299.587 505.425,300.349 512.029,300.349 513.045,301.365 v1(513.045,309.239) ; v1(500.091,290.751) 501.361,292.021 502.123,292.021 v1(500.853,290.751) ; v1(500.091,348.101) 501.361,349.371 502.123,349.371 v1(500.853,348.101) ; v1(507.391,262.811) 513.045,262.811 ; v1(507.391,320.161) 513.045,320.161 ; 512.283,262.811 513.045,262.049 ; 512.283,320.161 513.045,319.399 ; 512.537,262.811 513.045,263.319 ; 512.537,320.161 513.045,320.669 ; v1@512.78,267.432 v1(512.683,267.529) v1(513.045,267.891) v1(513.045,267.432) ; v1@512.78,324.782 v1(512.683,324.879) v1(513.045,325.241) v1(513.045,324.782) ; 518.84,273.432 520.157,274.749 ; 518.84,330.782 520.157,332.099 ; 518.887,292.021 520.157,290.751 520.157,274.749 ; 518.887,349.371 520.157,348.101 520.157,332.099 ; 519.395,273.432 519.395,273.479 520.919,275.003 ; 519.395,330.782 519.395,330.829 520.919,332.353 ; 520.919,275.511 520.157,274.749 ; 520.919,332.861 520.157,332.099
  Bottom Layer w0.8: 318.026,285.744 v1@318.026,290.642 ; 318.026,343.094 v1@318.026,347.992 ; 375.376,285.744 v1@375.376,290.642 ; 375.376,343.094 v1@375.376,347.992 ; 432.726,285.744 v1@432.726,290.642 ; 432.726,343.094 v1@432.726,347.992 ; 490.076,285.744 v1@490.076,290.642 ; 490.076,343.094 v1@490.076,347.992
  Bottom Layer w1: 300.101,240.84 305.562,240.84 306.705,241.983 v1(306.705,259.001) 306.705,288.211 305.797,289.119 305.181,289.119 304.373,289.119 ; 300.101,298.19 305.562,298.19 306.705,299.333 v1(306.705,316.351) 306.705,345.561 305.797,346.469 305.181,346.469 304.373,346.469 ; v1(328.041,290.751) v1(328.803,290.751) 330.073,292.021 347.599,292.021 348.869,290.751 348.869,275.511 348.869,274.241 348.06,273.432 347.345,273.432 345.948,273.432 343.916,273.432 ; v1(328.041,348.101) v1(328.803,348.101) 330.073,349.371 347.599,349.371 348.869,348.101 348.869,332.861 348.869,331.591 348.06,330.782 347.345,330.782 345.948,330.782 343.916,330.782 ; 357.451,240.84 362.912,240.84 364.055,241.983 v1(364.055,259.001) 364.055,288.211 363.147,289.119 362.531,289.119 361.723,289.119 ; 357.451,298.19 362.912,298.19 364.055,299.333 v1(364.055,316.351) 364.055,345.561 363.147,346.469 362.531,346.469 361.723,346.469 ; v1(385.391,290.751) v1(386.153,290.751) 387.423,292.021 404.949,292.021 406.219,290.751 406.219,275.511 406.219,274.241 405.41,273.432 404.695,273.432 403.298,273.432 401.266,273.432 ; v1(385.391,348.101) v1(386.153,348.101) 387.423,349.371 404.949,349.371 406.219,348.101 406.219,332.861 406.219,331.591 405.41,330.782 404.695,330.782 403.298,330.782 401.266,330.782 ; 414.801,240.84 420.262,240.84 421.405,241.983 v1(421.405,259.001) 421.405,288.211 420.497,289.119 419.881,289.119 419.073,289.119 ; 414.801,298.19 420.262,298.19 421.405,299.333 v1(421.405,316.351) 421.405,345.561 420.497,346.469 419.881,346.469 419.073,346.469 ; v1(442.741,290.751) v1(443.503,290.751) 444.773,292.021 462.299,292.021 463.569,290.751 463.569,275.511 463.569,274.241 462.76,273.432 462.045,273.432 460.648,273.432 458.616,273.432 ; v1(442.741,348.101) v1(443.503,348.101) 444.773,349.371 462.299,349.371 463.569,348.101 463.569,332.861 463.569,331.591 462.76,330.782 462.045,330.782 460.648,330.782 458.616,330.782 ; 472.151,240.84 477.612,240.84 478.755,241.983 v1(478.755,259.001) 478.755,288.211 477.847,289.119 477.231,289.119 476.423,289.119 ; 472.151,298.19 477.612,298.19 478.755,299.333 v1(478.755,316.351) 478.755,345.561 477.847,346.469 477.231,346.469 476.423,346.469 ; v1(500.091,290.751) v1(500.853,290.751) 502.123,292.021 519.649,292.021 520.919,290.751 520.919,275.511 520.919,274.241 520.11,273.432 519.395,273.432 517.998,273.432 515.966,273.432 ; v1(500.091,348.101) v1(500.853,348.101) 502.123,349.371 519.649,349.371 520.919,348.101 520.919,332.861 520.919,331.591 520.11,330.782 519.395,330.782 517.998,330.782 515.966,330.782
  other v1: 321.437,236.636 378.787,236.636 436.137,236.636 493.487,236.636 322.961,236.903 380.311,236.903 437.661,236.903 495.011,236.903 307.975,237.03 334.899,237.03 365.325,237.03 392.249,237.03 422.675,237.03 449.599,237.03 480.025,237.03 506.949,237.03 339.725,237.157 397.075,237.157 454.425,237.157 511.775,237.157 321.691,238.046 379.041,238.046 436.391,238.046 493.741,238.046 334.645,238.173 391.995,238.173 449.345,238.173 506.695,238.173 342.011,238.554 347.345,238.554 399.361,238.554 404.695,238.554 456.711,238.554 462.045,238.554 514.061,238.554 519.395,238.554 307.213,239.697 364.563,239.697 421.913,239.697 479.263,239.697 309.245,240.205 366.595,240.205 423.945,240.205 481.295,240.205 342.011,241.094 399.361,241.094 456.711,241.094 514.061,241.094 302.387,242.618 304.419,242.618 359.737,242.618 361.769,242.618 417.087,242.618 419.119,242.618 474.437,242.618 476.469,242.618 311.785,243.507 369.135,243.507 426.485,243.507 483.835,243.507 325.755,243.624 383.105,243.624 440.455,243.624 497.805,243.624 324.231,243.904 381.581,243.904 438.931,243.904 496.281,243.904 308.737,244.015 366.087,244.015 423.437,244.015 480.787,244.015 302.641,244.142 359.991,244.142 417.341,244.142 474.691,244.142 312.801,244.523 370.151,244.523 427.501,244.523 484.851,244.523 331.597,245.031 388.947,245.031 446.297,245.031 503.647,245.031 315.849,245.539 373.199,245.539 430.549,245.539 487.899,245.539 317.881,246.555 375.231,246.555 432.581,246.555 489.931,246.555 331.597,247.317 388.947,247.317 446.297,247.317 503.647,247.317 327.533,248.206 384.883,248.206 442.233,248.206 499.583,248.206 308.059,248.333 365.409,248.333 422.759,248.333 480.109,248.333 323.215,248.714 380.565,248.714 437.915,248.714 495.265,248.714 346.075,249.222 403.425,249.222 460.775,249.222 518.125,249.222 351.917,249.603 409.267,249.603 466.617,249.603 523.967,249.603 320.167,249.73 325.247,249.73 377.517,249.73 382.597,249.73 434.867,249.73 439.947,249.73 492.217,249.73 497.297,249.73 338.709,250.746 396.059,250.746 453.409,250.746 510.759,250.746 321.945,251.635 379.295,251.635 436.645,251.635 493.995,251.635 308.483,251.762 365.833,251.762 423.183,251.762 480.533,251.762 319.913,251.889 377.263,251.889 434.613,251.889 491.963,251.889 323.723,252.27 381.073,252.27 438.423,252.27 495.773,252.27 352.933,252.651 410.283,252.651 467.633,252.651 524.983,252.651 326.517,253.159 383.867,253.159 441.217,253.159 498.567,253.159 343.281,253.667 400.631,253.667 457.981,253.667 515.331,253.667 308.877,253.794 366.227,253.794 423.577,253.794 480.927,253.794 346.837,254.429 404.187,254.429 461.537,254.429 518.887,254.429 350.393,254.81 407.743,254.81 465.093,254.81 522.443,254.81 322.453,255.191 379.803,255.191 437.153,255.191 494.503,255.191 319.913,255.318 377.263,255.318 434.613,255.318 491.963,255.318 324.993,255.445 382.343,255.445 439.693,255.445 497.043,255.445 343.027,255.826 400.377,255.826 457.727,255.826 515.077,255.826 328.803,256.842 386.153,256.842 443.503,256.842 500.853,256.842 317.627,257.35 374.977,257.35 432.327,257.35 489.677,257.35 314.325,257.477 371.675,257.477 429.025,257.477 486.375,257.477 329.311,257.858 332.867,257.858 386.661,257.858 390.217,257.858 444.011,257.858 447.567,257.858 501.361,257.858 504.917,257.858 312.293,258.747 369.643,258.747 426.993,258.747 484.343,258.747 349.377,260.398 406.727,260.398 464.077,260.398 521.427,260.398 310.769,260.525 315.341,260.525 368.119,260.525 372.691,260.525 425.469,260.525 430.041,260.525 482.819,260.525 487.391,260.525 317.119,260.906 374.469,260.906 431.819,260.906 489.169,260.906 328.041,262.557 385.391,262.557 442.741,262.557 500.091,262.557 326.517,262.811 383.867,262.811 441.217,262.811 498.567,262.811 311.531,263.446 313.563,263.446 368.881,263.446 370.913,263.446 426.231,263.446 428.263,263.446 483.581,263.446 485.613,263.446 327.279,265.478 384.629,265.478 441.979,265.478 499.329,265.478 310.769,265.859 368.119,265.859 425.469,265.859 482.819,265.859 328.295,265.986 385.645,265.986 442.995,265.986 500.345,265.986 325.501,266.367 382.851,266.367 440.201,266.367 497.551,266.367 313.563,266.494 370.913,266.494 428.263,266.494 485.613,266.494 349.377,267.129 406.727,267.129 464.077,267.129 521.427,267.129 347.853,267.51 405.203,267.51 462.553,267.51 519.903,267.51 348.361,270.177 405.711,270.177 463.061,270.177 520.411,270.177 350.139,273.098 407.489,273.098 464.839,273.098 522.189,273.098 301.117,273.987 358.467,273.987 415.817,273.987 473.167,273.987 351.409,275.257 408.759,275.257 466.109,275.257 523.459,275.257 339.217,275.638 396.567,275.638 453.917,275.638 511.267,275.638 299.593,276.019 356.943,276.019 414.293,276.019 471.643,276.019 322.453,277.289 379.803,277.289 437.153,277.289 494.503,277.289 337.439,277.67 394.789,277.67 452.139,277.67 509.489,277.67 340.487,278.178 397.837,278.178 455.187,278.178 512.537,278.178 299.847,278.686 352.171,278.686 357.197,278.686 409.521,278.686 414.547,278.686 466.871,278.686 471.897,278.686 524.221,278.686 336.677,279.067 394.027,279.067 451.377,279.067 508.727,279.067 322.199,279.194 379.549,279.194 436.899,279.194 494.249,279.194 321.437,280.083 378.787,280.083 436.137,280.083 493.487,280.083 308.737,280.845 366.087,280.845 423.437,280.845 480.787,280.845 335.661,281.099 393.011,281.099 450.361,281.099 507.711,281.099 352.425,281.861 409.775,281.861 467.125,281.861 524.475,281.861 322.453,282.623 379.803,282.623 437.153,282.623 494.503,282.623 332.613,283.131 389.963,283.131 447.313,283.131 504.663,283.131 333.883,283.258 391.233,283.258 448.583,283.258 505.933,283.258 320.421,283.385 377.771,283.385 435.121,283.385 492.471,283.385 330.073,283.766 387.423,283.766 444.773,283.766 502.123,283.766 351.409,283.893 408.759,283.893 466.109,283.893 523.459,283.893 345.313,284.147 402.663,284.147 460.013,284.147 517.363,284.147 299.593,285.163 356.943,285.163 414.293,285.163 471.643,285.163 320.929,285.798 322.961,285.798 378.279,285.798 380.311,285.798 435.629,285.798 437.661,285.798 492.979,285.798 495.011,285.798 346.329,286.433 403.679,286.433 461.029,286.433 518.379,286.433 329.819,287.322 387.169,287.322 444.519,287.322 501.869,287.322 346.329,288.973 403.679,288.973 461.029,288.973 518.379,288.973 351.917,289.989 409.267,289.989 466.617,289.989 523.967,289.989 299.593,290.751 356.943,290.751 414.293,290.751 471.643,290.751 349.885,291.386 407.235,291.386 464.585,291.386 521.935,291.386 302.641,291.659 359.991,291.659 417.341,291.659 474.691,291.659 321.437,293.986 378.787,293.986 436.137,293.986 493.487,293.986 322.961,294.253 380.311,294.253 437.661,294.253 495.011,294.253 307.975,294.38 334.899,294.38 365.325,294.38 392.249,294.38 422.675,294.38 449.599,294.38 480.025,294.38 506.949,294.38 339.725,294.507 397.075,294.507 454.425,294.507 511.775,294.507 321.691,295.396 379.041,295.396 436.391,295.396 493.741,295.396 334.645,295.523 391.995,295.523 449.345,295.523 506.695,295.523 342.011,295.904 347.345,295.904 399.361,295.904 404.695,295.904 456.711,295.904 462.045,295.904 514.061,295.904 519.395,295.904 307.213,297.047 364.563,297.047 421.913,297.047 479.263,297.047 309.245,297.555 366.595,297.555 423.945,297.555 481.295,297.555 342.011,298.444 399.361,298.444 456.711,298.444 514.061,298.444 302.387,299.968 304.419,299.968 359.737,299.968 361.769,299.968 417.087,299.968 419.119,299.968 474.437,299.968 476.469,299.968 311.785,300.857 369.135,300.857 426.485,300.857 483.835,300.857 325.755,300.974 383.105,300.974 440.455,300.974 497.805,300.974 324.231,301.254 381.581,301.254 438.931,301.254 496.281,301.254 308.737,301.365 366.087,301.365 423.437,301.365 480.787,301.365 302.641,301.492 359.991,301.492 417.341,301.492 474.691,301.492 312.801,301.873 370.151,301.873 427.501,301.873 484.851,301.873 331.597,302.381 388.947,302.381 446.297,302.381 503.647,302.381 315.849,302.889 373.199,302.889 430.549,302.889 487.899,302.889 317.881,303.905 375.231,303.905 432.581,303.905 489.931,303.905 331.597,304.667 388.947,304.667 446.297,304.667 503.647,304.667 327.533,305.556 384.883,305.556 442.233,305.556 499.583,305.556 308.059,305.683 365.409,305.683 422.759,305.683 480.109,305.683 323.215,306.064 380.565,306.064 437.915,306.064 495.265,306.064 346.075,306.572 403.425,306.572 460.775,306.572 518.125,306.572 351.917,306.953 409.267,306.953 466.617,306.953 523.967,306.953 320.167,307.08 325.247,307.08 377.517,307.08 382.597,307.08 434.867,307.08 439.947,307.08 492.217,307.08 497.297,307.08 338.709,308.096 396.059,308.096 453.409,308.096 510.759,308.096 321.945,308.985 379.295,308.985 436.645,308.985 493.995,308.985 308.483,309.112 365.833,309.112 423.183,309.112 480.533,309.112 319.913,309.239 377.263,309.239 434.613,309.239 491.963,309.239 323.723,309.62 381.073,309.62 438.423,309.62 495.773,309.62 352.933,310.001 410.283,310.001 467.633,310.001 524.983,310.001 326.517,310.509 383.867,310.509 441.217,310.509 498.567,310.509 343.281,311.017 400.631,311.017 457.981,311.017 515.331,311.017 308.877,311.144 366.227,311.144 423.577,311.144 480.927,311.144 346.837,311.779 404.187,311.779 461.537,311.779 518.887,311.779 350.393,312.16 407.743,312.16 465.093,312.16 522.443,312.16 322.453,312.541 379.803,312.541 437.153,312.541 494.503,312.541 319.913,312.668 377.263,312.668 434.613,312.668 491.963,312.668 324.993,312.795 382.343,312.795 439.693,312.795 497.043,312.795 343.027,313.176 400.377,313.176 457.727,313.176 515.077,313.176 328.803,314.192 386.153,314.192 443.503,314.192 500.853,314.192 317.627,314.7 374.977,314.7 432.327,314.7 489.677,314.7 314.325,314.827 371.675,314.827 429.025,314.827 486.375,314.827 329.311,315.208 332.867,315.208 386.661,315.208 390.217,315.208 444.011,315.208 447.567,315.208 501.361,315.208 504.917,315.208 312.293,316.097 369.643,316.097 426.993,316.097 484.343,316.097 349.377,317.748 406.727,317.748 464.077,317.748 521.427,317.748 310.769,317.875 315.341,317.875 368.119,317.875 372.691,317.875 425.469,317.875 430.041,317.875 482.819,317.875 487.391,317.875 317.119,318.256 374.469,318.256 431.819,318.256 489.169,318.256 328.041,319.907 385.391,319.907 442.741,319.907 500.091,319.907 326.517,320.161 383.867,320.161 441.217,320.161 498.567,320.161 311.531,320.796 313.563,320.796 368.881,320.796 370.913,320.796 426.231,320.796 428.263,320.796 483.581,320.796 485.613,320.796 327.279,322.828 384.629,322.828 441.979,322.828 499.329,322.828 310.769,323.209 368.119,323.209 425.469,323.209 482.819,323.209 328.295,323.336 385.645,323.336 442.995,323.336 500.345,323.336 325.501,323.717 382.851,323.717 440.201,323.717 497.551,323.717 313.563,323.844 370.913,323.844 428.263,323.844 485.613,323.844 349.377,324.479 406.727,324.479 464.077,324.479 521.427,324.479 347.853,324.86 405.203,324.86 462.553,324.86 519.903,324.86 348.361,327.527 405.711,327.527 463.061,327.527 520.411,327.527 350.139,330.448 407.489,330.448 464.839,330.448 522.189,330.448 301.117,331.337 358.467,331.337 415.817,331.337 473.167,331.337 351.409,332.607 408.759,332.607 466.109,332.607 523.459,332.607 339.217,332.988 396.567,332.988 453.917,332.988 511.267,332.988 299.593,333.369 356.943,333.369 414.293,333.369 471.643,333.369 322.453,334.639 379.803,334.639 437.153,334.639 494.503,334.639 337.439,335.02 394.789,335.02 452.139,335.02 509.489,335.02 340.487,335.528 397.837,335.528 455.187,335.528 512.537,335.528 299.847,336.036 352.171,336.036 357.197,336.036 409.521,336.036 414.547,336.036 466.871,336.036 471.897,336.036 524.221,336.036 336.677,336.417 394.027,336.417 451.377,336.417 508.727,336.417 322.199,336.544 379.549,336.544 436.899,336.544 494.249,336.544 321.437,337.433 378.787,337.433 436.137,337.433 493.487,337.433 308.737,338.195 366.087,338.195 423.437,338.195 480.787,338.195 335.661,338.449 393.011,338.449 450.361,338.449 507.711,338.449 352.425,339.211 409.775,339.211 467.125,339.211 524.475,339.211 322.453,339.973 379.803,339.973 437.153,339.973 494.503,339.973 332.613,340.481 389.963,340.481 447.313,340.481 504.663,340.481 333.883,340.608 391.233,340.608 448.583,340.608 505.933,340.608 320.421,340.735 377.771,340.735 435.121,340.735 492.471,340.735 330.073,341.116 387.423,341.116 444.773,341.116 502.123,341.116 351.409,341.243 408.759,341.243 466.109,341.243 523.459,341.243 345.313,341.497 402.663,341.497 460.013,341.497 517.363,341.497 299.593,342.513 356.943,342.513 414.293,342.513 471.643,342.513 320.929,343.148 322.961,343.148 378.279,343.148 380.311,343.148 435.629,343.148 437.661,343.148 492.979,343.148 495.011,343.148 346.329,343.783 403.679,343.783 461.029,343.783 518.379,343.783 329.819,344.672 387.169,344.672 444.519,344.672 501.869,344.672 346.329,346.323 403.679,346.323 461.029,346.323 518.379,346.323 351.917,347.339 409.267,347.339 466.617,347.339 523.967,347.339 299.593,348.101 356.943,348.101 414.293,348.101 471.643,348.101 349.885,348.736 407.235,348.736 464.585,348.736 521.935,348.736 302.641,349.009 359.991,349.009 417.341,349.009 474.691,349.009

## Polygon pours and split planes (outlines as drawn)
no net on Bottom Layer "Top Layer-No Net" (hatched 90Degree grid 0.508 track 0.508, remove dead copper, pour order 1000): 298.572,294.416 299.602,293.386 354.335,293.386 355.65,294.701 355.65,349.425 354.338,350.738 299.602,350.738 298.301,349.437 298.301,294.686
no net on Bottom Layer "Top Layer-No Net" (hatched 90Degree grid 0.508 track 0.508, remove dead copper, pour order 1000): 355.922,294.416 356.952,293.386 411.685,293.386 413,294.701 413,349.425 411.688,350.738 356.952,350.738 355.651,349.437 355.651,294.686
no net on Bottom Layer "Top Layer-No Net" (hatched 90Degree grid 0.508 track 0.508, remove dead copper, pour order 1000): 413.272,294.416 414.302,293.386 469.035,293.386 470.35,294.701 470.35,349.425 469.038,350.738 414.302,350.738 413.001,349.437 413.001,294.686
no net on Bottom Layer "Top Layer-No Net" (hatched 90Degree grid 0.508 track 0.508, remove dead copper, pour order 1000): 470.622,294.416 471.652,293.386 526.385,293.386 527.7,294.701 527.7,349.425 526.388,350.738 471.652,350.738 470.351,349.437 470.351,294.686
no net on Bottom Layer "Top Layer-No Net" (hatched 90Degree grid 0.508 track 0.508, remove dead copper, pour order 1000): 298.572,237.066 299.602,236.036 354.335,236.036 355.65,237.351 355.65,292.075 354.338,293.388 299.602,293.388 298.301,292.087 298.301,237.336
no net on Bottom Layer "Top Layer-No Net" (hatched 90Degree grid 0.508 track 0.508, remove dead copper, pour order 1000): 355.922,237.066 356.952,236.036 411.685,236.036 413,237.351 413,292.075 411.688,293.388 356.952,293.388 355.651,292.087 355.651,237.336
no net on Bottom Layer "Top Layer-No Net" (hatched 90Degree grid 0.508 track 0.508, remove dead copper, pour order 1000): 413.272,237.066 414.302,236.036 469.035,236.036 470.35,237.351 470.35,292.075 469.038,293.388 414.302,293.388 413.001,292.087 413.001,237.336
no net on Bottom Layer "Top Layer-No Net" (hatched 90Degree grid 0.508 track 0.508, remove dead copper, pour order 1000): 470.622,237.066 471.652,236.036 526.385,236.036 527.7,237.351 527.7,292.075 526.388,293.388 471.652,293.388 470.351,292.087 470.351,237.336
no net on Top Layer "Top Layer-No Net" (hatched 90Degree grid 0.508 track 0.508, remove dead copper, pour order 1001): 298.572,293.981 299.602,292.951 354.335,292.951 355.65,294.266 355.65,348.99 354.338,350.303 299.602,350.303 298.301,349.003 298.301,294.251
no net on Top Layer "Top Layer-No Net" (hatched 90Degree grid 0.508 track 0.508, remove dead copper, pour order 1001): 355.922,293.981 356.952,292.951 411.685,292.951 413,294.266 413,348.99 411.688,350.303 356.952,350.303 355.651,349.003 355.651,294.251
no net on Top Layer "Top Layer-No Net" (hatched 90Degree grid 0.508 track 0.508, remove dead copper, pour order 1001): 413.272,293.981 414.302,292.951 469.035,292.951 470.35,294.266 470.35,348.99 469.038,350.303 414.302,350.303 413.001,349.003 413.001,294.251